# Allegro board RK_TABLET_DEMO1_RK3576_LP4XD200P132SD6_V12_20240530YWQ.brd (continued)
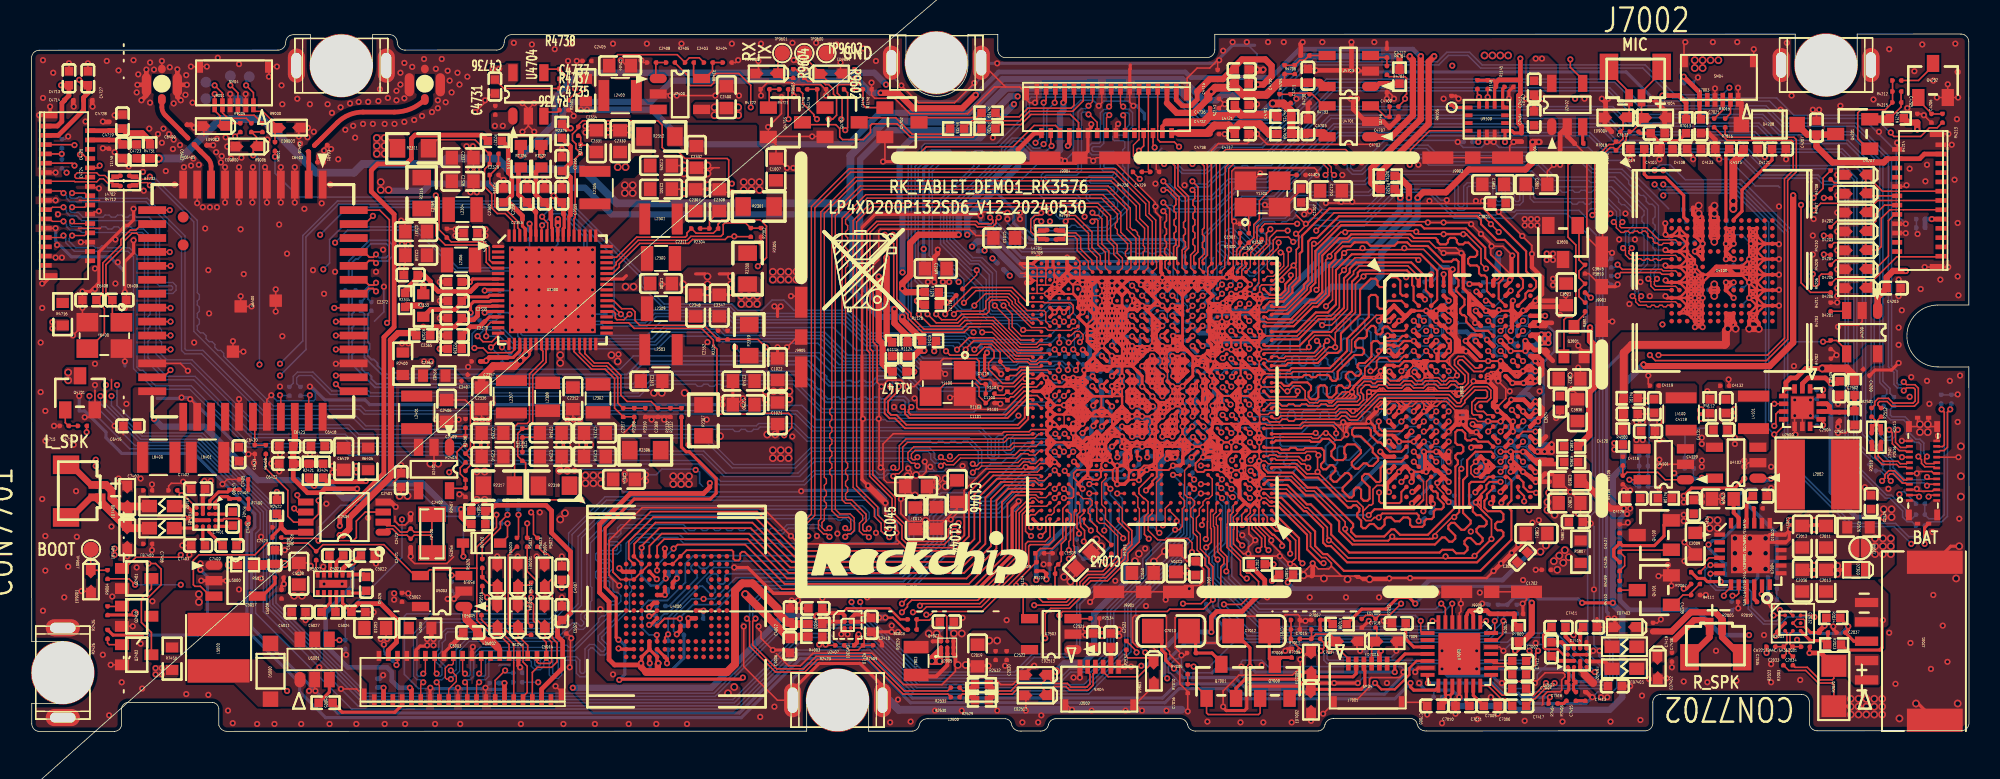
[diagram p0: board, top side]
## Routing (per net, layer and track width the routed paths; a pad name or vN(x,y) marks a point on that pad's centre or on a via; arc(x,y) is an arc through that point) (continued)
USB3_OTG0_SSTX1P/DP_TX_D1P: length 74.4
  TOP w0.102: U1000.AL11 74.44,30.29 74.44,31.01 74.65,31.22 74.65,34.56 73.97,35.24 73.97,36.63 73.59,37.01 73.28,37.01 v1(73.08,37.21)
  BOTTOM w0.102: C2509.1 119.92,21.84 119.92,22.16 119.46,22.61 119.46,36.74 117.46,38.73 112.84,38.73 111.72,39.85 103.56,39.85 101.83,41.58 83.92,41.58 79.65,37.31 76.8,37.31 75.74,36.25 74.33,36.25 73.54,37.03 73.26,37.03 v1(73.08,37.21)
USB3_OTG0_SSTX2N/DP_TX_D3N: length 71.7
  TOP w0.102: U1000.AK13 73.14,29.94 73.14,30.37 73.23,30.45 73.23,30.76 73.11,30.88 73.11,31.18 73.23,31.3 73.23,31.6 73.11,31.72 73.11,32.02 73.23,32.14 73.23,32.45 73.11,32.56 73.11,32.87 73.23,32.98 73.23,33.4 v1(73.03,33.6)
  BOTTOM w0.102: v1(73.03,33.6) 73.21,33.78 73.48,33.78 73.71,33.55 76.38,33.55 77.75,34.92 79.99,34.92 84.1,39.04 101.14,39.04 102.2,37.97 110.11,37.97 111.74,36.35 116.87,36.35 117.58,35.64 117.58,18.62 118.6,17.59 C2510.1
USB3_OTG0_SSTX2P/DP_TX_D3P: length 71.5
  TOP w0.102: U1000.AL13 73.43,30.24 73.43,33.76 v1(73.03,34.16)
  BOTTOM w0.102: C2511.1 118.84,17.64 117.78,18.7 117.78,35.72 116.95,36.55 111.82,36.55 110.2,38.18 102.29,38.18 101.22,39.24 84.02,39.24 79.9,35.13 77.67,35.13 76.3,33.76 73.79,33.76 73.56,33.98 73.21,33.98 v1(73.03,34.16)
USB20_HOST_DM: length 8.6
  TOP w0.102: J2502.2 68.15,3.84 68.29,3.69 68.29,3.06 68.1,2.87 67.07,2.87 66.83,3.1 65.97,3.1 ED2513.1 65.42,3.34 65.15,3.07 63.65,3.07 63.19,2.62 62.19,2.62 62.01,2.8 L2500.1
USB20_HOST_DP: length 8.9
  TOP w0.102: J2502.3 68.65,3.87 68.5,3.72 68.5,2.98 68.18,2.67 66.98,2.67 66.75,2.9 65.97,2.9 ED2512.1 65.42,2.61 65.15,2.87 63.73,2.87 63.27,2.41 62.12,2.41 L2500.3
USBCC_INT_L: length 105.1
  TOP w0.089: U1000.AC28 65.09,25.9 64.02,25.9 v1(63.99,25.93)
  TOP w0.102: U2500.5 v1(112.45,21.16)
  L4-SIG w0.102: v1(112.45,21.16) 112.45,23.14 116.87,27.55 116.87,34.82 116.72,34.98 113.46,34.98 109.55,38.89 v1(109.55,41.58)
  BOTTOM w0.089: 60.67,26.34 63.58,26.34 v1(63.99,25.93)
  BOTTOM w0.102: v1(109.55,41.58) 109.1,41.12 106.05,41.12 104.12,43.05 93.6,43.05 92.79,43.87 91.32,43.87 90.71,43.26 82.32,43.26 80.5,41.43 80.5,40.26 79.73,39.5 75.42,39.5 73.74,41.17 64.39,41.17 64.19,40.97 64.19,39.89 62.27,37.97 57.63,37.97 57.43,37.77 57.43,36.91 57.01,36.48 57.01,29.11 58,28.12 59.36,28.12 59.54,27.94 59.54,27.47 60.67,26.34
VIB_CON: length 92.5
  TOP w0.089: v1(60.84,27.51) 60.84,27.56 61.55,28.27 63.07,28.27 63.48,27.86 63.48,27.67 64.51,26.65 64.89,26.65 U1000.AD28
  TOP w0.102: v1(119.97,38.68) 119.97,38.63 120.17,38.43 121.9,38.43 122.46,38.99 122.96,38.99 R4213.1
  BOTTOM w0.102: v1(60.84,27.51) 60.58,27.25 60.04,27.25 59.74,27.55 59.74,28.04 59.46,28.32 58.08,28.32 57.21,29.19 57.21,36.4 57.64,36.82 57.64,37.66 57.74,37.77 62.42,37.77 64.39,39.74 64.39,40.87 64.49,40.97 73.64,40.97 75.31,39.29 79.84,39.29 80.7,40.16 80.7,41.33 82.43,43.05 90.81,43.05 91.42,43.66 92.69,43.66 93.5,42.85 103.97,42.85 105.9,40.92 112.6,40.92 113.72,39.8 118.8,39.8 119.92,38.68 v1(119.97,38.68)
VMID_ES8388: length 1.6
  TOP w0.203: U7000.20 93.03,2.33 C7011.1
VOL+: length 4.5
  TOP w0.102: v1(12.83,41.73) 13.32,41.24 J9001.3 13.32,39.87 13.39,39.8 14.37,39.8 R9000.2
  BOTTOM w0.102: TP9004.1 v1(12.83,41.73)
VOL-: length 4.8
  TOP w0.102: R9001.2 13.86,39.6 12.68,39.6 12.32,39.96 J9001.5 12.32,41.23 v1(11.81,41.73)
  BOTTOM w0.102: TP9005.1 11.46,41.73 v1(11.81,41.73)
VREF_ES8388: length 2.6
  TOP w0.203: C7009.1 88.67,5.98 89.19,5.45 U7000.10
WIFI_REG_ON_H: length 92.7
  TOP w0.102: U6400.15 8.91,30.97 v1(8.92,30.96) ; U1000.A26 65.97,13.42 65.97,12.37 65.66,12.06 64.44,12.06 64.34,11.96 64.34,10.75 61.34,7.75 58.21,7.75 58.01,7.54 v1(57.74,7.54)
  L4-SIG w0.102: v1(8.92,30.96) 8.26,30.3 8.26,7.7 14.91,1.04 41.53,1.04 44.99,4.5 48.2,4.5 48.81,5.1 56.31,5.1 57.08,5.87 57.08,7.01 57.61,7.54 v1(57.74,7.54)
WIFI_WAKE_HOST_H: length 67.1
  TOP w0.102: U1000.1U22 v1(66.62,24.67) ; U6400.16 v1(8.97,30.07)
  L4-SIG w0.102: v1(8.97,30.07) 10.32,31.42 19.43,31.42 v1(19.59,31.57)
  BOTTOM w0.102: v1(19.59,31.57) 20.4,32.38 24.77,32.38 27.41,29.74 31.22,29.74 31.37,29.59 31.37,25.53 31.52,25.37 40.03,25.37 40.85,26.19 44.43,26.19 44.83,25.78 51.18,25.78 52.66,24.31 57.03,24.31 57.48,23.85 63.43,23.85 63.58,24 65.51,24 65.71,24.21 66.15,24.21 v1(66.62,24.67)
WIFIBT_32KIN_2T2R: length 2.6
  TOP w0.102: U6400.31 14.4,20.2 C6421.1 R6408.2
XIN_24M: length 9
  TOP w0.089: 61.31,21.48 61.14,21.64 61.14,22.22 60.89,22.48 58.96,22.48 58.11,21.63 Y1100.3
  TOP w0.102: 61.31,21.48 C1101.1 61.88,21.51 62.85,21.51 R1101.2 63.19,21.61 63.38,21.61 64.01,22.25 64.85,22.25 65.12,22.52 U1000.U28
XIN_WIFI: length 10.9
  TOP w0.102: Y6400.3 3.7,24.73 4.7,25.73 4.7,27.3 4.19,27.82 C6408.1 4.6,28.28 4.6,30.26 5.77,31.43 5.77,31.77 6.38,32.38 6.73,32.38 7.12,32.77 U6400.13
XOUT_24M: length 3
  TOP w0.102: U1000.U29 64.55,22.45 63.91,22.45 63.27,21.82 63.09,21.82 R1101.1 62.75,21.72 62.23,21.72 R1100.2
XOUT_WIFI: length 8.5
  TOP w0.102: U6400.14 7.09,31.87 6.78,32.18 6.48,32.18 5.97,31.67 5.97,31.32 4.8,30.15 4.8,28.28 C6409.1 5.22,26.64 5.43,26.43 Y6400.1
ZQ_A: length 1
  TOP w0.114: U1000.1R6 v1(76.8,22.88)
  BOTTOM w0.089: R1200.2 76.8,23.11 v1(76.8,22.88)
ZQ_B: length 0.9
  TOP w0.114: U1000.1J6 v1(76.77,19.31)
  BOTTOM w0.089: v1(76.77,19.31) 76.75,19.34 R1201.1
N16483578: length 0.7
  TOP w0.203: C7404.2 R7400.1
N16483700: length 0.7
  TOP w0.203: R7401.1 14,14.98 C7406.2
N16485789: length 0.6
  TOP w0.203: R7403.1 C7415.2
N16485911: length 0.7
  TOP w0.203: R7404.1 98.86,1.8 C7417.2
N17044498: length 8.1
  TOP w0.305: C6403.1 18.42,38.01 18.43,38.01 C6401.1 19.73,39.32 arc(20.49,39.83) 21.38,40 23.42,40 arc(24.48,40.22) ANT6402.1
N17044505: length 2.1
  TOP w0.305: U6400.2 C6410.1 17.89,37.43 C6403.2
N18483775: length 3
  TOP w0.305: C6402.2 10.48,37.9 C6405.2 11.37,37.01 arc(11.53,36.77) 11.59,36.5 U6400.9
N18669719: length 1.5
  TOP w0.203: R7008.1 83.69,7.2 C7015.1 R7007.2
N19347246: length 2.4
  TOP w0.089: 61.19,22.48 60.34,23.33 Y1100.1
  TOP w0.102: 61.19,22.48 61.24,22.43 C1100.1 R1100.1
N19625788: length 4.7
  TOP w0.089: U1000.1B21 67.85,15.04 68.3,15.04 68.43,14.9 68.43,14.64 68.18,14.39 68.18,14.11
  TOP w0.102: R1353.1 69.68,12.06 69.14,12.6 69.09,12.6 68.76,12.93 68.76,13.18 68.3,13.64 68.3,13.99 68.18,14.11
N19625813: length 2.1
  TOP w0.114: U1000.1G23 v1(66.62,18.07)
  BOTTOM w0.114: R1367.1 65.59,17.73 66.28,17.73 v1(66.62,18.07)
N19907557: length 1.1
  TOP w0.203: R2414.1 100.09,38.01 U2402.3
N21004058: length 1.8
  TOP w0.102: Y1300.1 78.54,33.66 C1301.1 R1300.2
N21504287: length 3.2
  TOP w0.305: ANT6401.1 8.41,40.32 arc(8.47,40.04) 8.62,39.81 C6400.2 9.64,38.78 C6402.1
N21735612: length 1.2
  TOP w0.102: R2534.1 68.32,7.28 U2503.3
N21902615: length 1.3
  TOP w0.203: U3800.A5 v1(91.11,29.53)
  BOTTOM w0.203: R3802.2 v1(91.11,29.53)
N21902619: length 1.2
  TOP w0.203: v1(92.78,28.9) 92.81,28.9 92.81,28.9 93.41,28.9 U3800.A8
  BOTTOM w0.203: v1(92.78,28.9) 92.77,28.9 92.66,29 R3804.2
N22358067: length 4.7
  TOP w0.102: Y2400.1 25.83,12.57 25.73,12.67 24.7,12.67 C2421.2 24.23,12.67 23.7,12.67 23.29,13.08 22.91,13.08 U2404.1
N22358147: length 4.7
  TOP w0.102: U2404.2 22.93,13.28 23.4,13.28 23.8,12.88 24.23,12.88 C2422.2 24.7,12.88 25.73,12.88 25.83,12.98 Y2400.2
N22367501: length 1.2
  TOP w0.102: R2512.2 118.93,20.13 118.93,19.78 L2501.4 118.73,19.58 R2510.1
N22367504: length 1.2
  TOP w0.102: R2513.2 119.14,20.13 119.14,19.78 L2501.2 119.34,19.58 R2516.1
N22367533: length 1
  TOP w0.102: R2530.2 60.07,2.41 60.54,2.41 L2500.4
N22367536: length 1
  TOP w0.102: R2531.2 60.09,2.62 60.52,2.62 L2500.2
N22367651: length 4.2
  TOP w0.305: U2500.12 116.09,20.66 ; 116.09,20.66 116.14,20.62 C2504.1 117.56,20.62 C2503.1 R2501.2 ; 116.09,20.66 116,20.75 116,21.01 115.85,21.16 U2500.13
N22631222: length 5.6
  TOP w0.203: U4100.A9 109.83,33.07 110.37,33.6 110.37,34.97 112.3,36.91 C4121.1
N22631304: length 6.5
  TOP w0.203: U4100.A3 106.61,33.22 106.61,34.62 105.44,35.79 104.26,35.79 104.06,35.99 C4122.1 104.06,37.67
N22631340: length 4.7
  TOP w0.203: U4100.A8 109.33,37.4 C4123.1
N23443278: length 3.6
  TOP w0.203: C7012.2 79.87,4.69 Q7000.3 80.67,4.78 R7006.1
N23443310: length 7.8
  TOP w0.102: Q7000.1 79.27,1.19 79.17,1.09 75.92,1.09 75.82,1.2 Q7001.1 75.82,2.26 75.04,3.04 C7016.1 R7010.2
N23443315: length 3.6
  TOP w0.203: C7013.2 75.11,6.06 R7005.1 76.17,5.06 76.77,4.46 Q7001.3
N25926882: length 2.2
  TOP w0.102: U2401.1 26.97,18.84 27.19,19.05 R2406.2 C2409.1
N25926888: length 3.1
  TOP w0.102: R2403.2 28,17.36 27.66,17.03 27.66,16.64 28,16.3 C2402.2 R2407.1 27.12,15.7 U2401.5
N26149917: length 1.6
  TOP w0.102: U7000.23 94.27,4.19 95.03,4.19 C7004.1
N28025034: length 2.6
  TOP w0.102: TP9007.1 3.82,11.74 ED9001.1 3.92,10.41 R9004.2
N28026868: length 3.5
  TOP w0.203: R7017.1 103.78,38.63 C7019.1 104.96,38.15 106.27,38.15 R7013.2
N28185677: length 1.8
  TOP w0.102: R2405.2 C2408.1 40.28,42.33 U2400.1
N28185687: length 3.6
  TOP w0.102: R2408.1 R2404.2 43.94,42.67 43.45,42.17 U2400.5 42.87,42.17 42.72,42.32 C2403.2
N28311256: length 1.8
  TOP w0.127: v1(39.86,7.44) 40,7.44 U4000.H5
  BOTTOM w0.102: v1(39.86,7.44) 39.88,7.46 R4005.1 40.26,8.02 R4007.2
N28324558: length 1.1
  TOP w0.102: U4200.3 117.07,27.14 R4203.1
N29652995: length 1.4
  TOP w0.203: U9100.11 94.92,40.44 94.92,41.5 C9103.1
N29797204: length 5.6
  TOP w0.102: R4101.1 104.01,21.52 v1(104.17,21.36)
  BOTTOM w0.102: R4104.1 R4103.1 C4117.1 104.29,17.83 104.37,17.91 104.37,21.16 v1(104.17,21.36)
N29797351: length 5
  TOP w0.102: U4101.1 105.41,16.26 104.93,16.74 102.95,16.74 102.73,16.51 R4106.1 R4105.2
N29797357: length 3.6
  TOP w0.102: U4101.5 v1(103.1,16.26)
  BOTTOM w0.102: v1(103.1,16.26) 103.53,15.82 R4107.1 R4104.2 R4103.2 C4117.2
N29797631: length 2
  TOP w0.102: v1(112.25,16.33) 112.22,16.36 U4102.1
  BOTTOM w0.203: v1(112.25,16.33) 112.11,16.2 R4116.1 R4115.2
N29797633: length 2.7
  TOP w0.102: v1(107.78,16.38) 108.57,16.38 U4102.5
  BOTTOM w0.102: v1(107.78,16.38) 107.29,16.38 R4114.1 R4113.2 C4130.2
N29801091: length 5.5
  TOP w0.102: R4110.1 R4109.2 102.8,10.7 102.8,11.27 C4125.2 102.59,11.71 105.79,11.71 Q4100.1
N29801183: length 1.1
  TOP w0.102: R4110.2 102.5,9.13 Q4101.3
N29801225: length 2.5
  TOP w0.102: R4111.2 107.09,8.97 C4128.1 106.56,8.81 105.92,8.18 Q4101.1
N30279606: length 5.9
  TOP w0.102: Q3800.1 99.85,32.6 99.85,30.45 100.17,30.13 C3845.1 99.85,29.74 99.85,29.3 R3810.2 99.85,28.52 99.85,28.08 R3811.1
N30279662: length 1.3
  TOP w0.102: Q3801.3 99.53,26.27 100.24,26.98 R3811.2
N31039547: length 1.2
  TOP w0.254: U2004.10 111.16,8.55 R2010.1
N31039644: length 2.5
  TOP w0.254: v1(111.64,8.86) 111.64,8.87 111.66,8.9 U2004.11
  BOTTOM w0.254: R2025.2 R2006.1 112.05,8.86 ; 112.05,8.86 R2011.1 ; 112.05,8.86 112.05,8.87 111.65,8.87 v1(111.64,8.86)
N31039646: length 1.7
  TOP w0.254: C2008.1 109.83,14.12 110.16,13.8 U2004.23
N31040025: length 1.1
  TOP w0.254: 110.67,8.42 110.67,9.46 U2004.9
  TOP w0.305: R2005.2 110.67,8.42
N31040066: length 1
  TOP w0.203: U2004.21 111.16,14.39 C2010.2
N31339553: length 4.1
  TOP w0.102: R2423.2 52.73,5.26 53.34,5.26 R2409.2 ; R2409.2 R2410.1 ; R2409.2 53.72,5.64 53.72,6.53 53.57,6.68 U2407.B2
N31344249: length 1.6
  TOP w0.203: U7400.D2 11.46,12.89 C7400.1
N31344257: length 1.1
  TOP w0.203: U7400.D1 12.93,13.24 C7401.1
N31344297: length 3.4
  TOP w0.127: 13.49,13.61 13.36,13.74 12.42,13.74 12.33,13.64
  TOP w0.203: C7400.2 13.49,12.27 13.49,13.61 ; 12.33,13.64 U7400.C1
N31344305: length 1.6
  TOP w0.203: C7401.2 12.83,14.04 U7400.B1 U7400.B2
N31344410: length 1.5
  TOP w0.203: U7400.D4 10.54,13.13 FB7400.1
N31344418: length 1.7
  TOP w0.203: U7400.B4 10.55,14.04 10.04,14.55 FB7401.1
N31361039: length 2.7
  TOP w0.203: U7400.A2 11.51,14.5 11.51,14.91 12.07,15.47 12.66,15.47 C7405.1 12.81,15.62 R7400.2
N31361246: length 2.2
  TOP w0.203: U7400.A1 11.82,14.48 11.82,14.76 12.22,15.16 12.66,15.16 C7405.2 13.39,15.04 R7401.2
N31366881: length 1.6
  TOP w0.254: U7402.D2 99.53,5.58 98.98,6.13 C7411.1
N31366885: length 3.3
  TOP w0.145: 97.56,5.77 97.56,5.41 97.67,5.31 98.48,5.31 98.83,4.96 U7402.C1
  TOP w0.203: 97.56,5.77 97.56,6.22 C7411.2
N31366889: length 1.2
  TOP w0.254: U7402.D1 98.73,5.76 C7412.1
N31366893: length 1.6
  TOP w0.254: C7412.2 98.17,4.86 98.47,4.56 U7402.B1 U7402.B2
N31367008: length 1.8
  TOP w0.203: U7402.A2 99.49,4.12 99.49,3.3 C7416.1 99.49,3.05 99.49,2.69 R7403.2
N31367014: length 0.4
  TOP w0.254: U7402.D4 100.33,5.79
N31367020: length 1.8
  TOP w0.203: R7404.2 99.19,2.69 99.19,3.05 C7416.2 99.19,3.3 99.19,4.1 U7402.A1
N31367026: length 1.9
  TOP w0.254: U7402.B4 100.37,4.52 101.51,4.52 FB7403.1
N31528669: length 2.2
  TOP w0.102: U4701.3 86.65,40.4 87.35,39.7 C4707.1 R4701.2
N31528675: length 3.4
  TOP w0.102: C4701.2 R4730.2 81.31,41.22 82.39,41.22 R4733.1 82.65,41.15 83.4,40.4 U4701.4
N31528937: length 1.7
  TOP w0.102: R4704.2 C4712.1 86.52,43.54 U4703.3
N31528943: length 3
  TOP w0.102: U4703.4 83.59,43.66 R4706.1 82.14,43.36 81.85,43.36 R4705.2 C4710.2
N31549612: length 1.7
  TOP w0.102: R4714.2 R4715.1 2.18,19.94 Q4701.1
N31550220: length 4.3
  TOP w0.102: R4719.1 61,39.65 57.57,39.65 Q4702.3
N31550249: length 3.2
  TOP w0.102: R4717.2 R4718.1 53.65,40.48 53.84,40.29 Q4702.1
N31550517: length 13.6
  TOP w0.102: R4720.1 60.74,38.38 56.72,38.38 55.86,39.24 54.23,39.24 54.13,39.14 54.13,38.68 53.67,38.23 52.33,38.23 52.15,38.4 52.15,38.94 51.9,39.19 49.9,39.19 Q4703.3
N31550548: length 1.9
  TOP w0.102: R4721.2 R4722.1 47.6,40.35 Q4703.1
N31550756: length 6.6
  TOP w0.102: Q4704.3 53.7,39.64 55.76,39.64 56.82,38.58 58.91,38.58 R4723.1
N31550787: length 2.2
  TOP w0.102: Q4704.1 50.89,40.29 50.71,40.48 R4725.1 R4724.2
N31575465: length 6.4
  TOP w0.102: J2502.4 69.15,3.86 69.47,3.53 71.4,3.53 72.29,4.42 D9803.1 72.07,4.75 70.74,4.75 70.64,4.85 R2537.2
N31696650: length 1.8
  TOP w0.203: U5001.3 19.22,2.54 R5005.1
N31711977: length 1.9
  TOP w0.203: U5000.4 14.89,8.74 15.7,9.55 C5017.1
N31733130: length 2.9
  TOP w0.203: U2003.C3 114.78,5.87 115.61,5.87 R2023.2 115.91,5.66 C2032.1
N31761528: length 3.6
  TOP w0.254: 56.96,3.55 58.37,3.55 59.09,4.28 U2005.B1 U2005.B2
N31761574: length 4.4
  TOP w0.102: U2005.B3 59.06,5.85 59.06,7.41 58.96,7.51 58.27,7.51 57.94,7.19 57.15,7.19 R2028.2 R2029.2
N31915974: length 1.2
  TOP w0.254: U5002.1 21.45,10.13 C5026.1
N31915978: length 1.2
  TOP w0.203: C5026.2 21.45,8.93 U5002.12
N31916041: length 1.4
  TOP w0.254: C5023.1 19.67,10.91 U5002.3
N31916043: length 1.3
  TOP w0.203: U5002.10 19.67,7.76 C5027.1
N31916095: length 1.2
  TOP w0.254: U5002.4 19.27,11.32 C5023.2
N31916099: length 1.5
  TOP w0.203: C5027.2 18.71,7.74 19.27,8.29 U5002.9
N31916172: length 1
  TOP w0.102: R5027.2 18.37,10.23 U5002.6
N31972393: length 1.4
  TOP w0.102: J7003.2 109.63,39.92 R7015.2
N31972396: length 1.5
  TOP w0.102: R7016.2 109.13,40.13 J7003.3
N32076662: length 2
  TOP w0.305: U4703.1 86.77,41.66 86.97,41.85 C4709.1 87.47,41.84 R4703.2
N32077506: length 1.2
  TOP w0.102: v1(27.1,10.08) 27.12,10.07 U5003.3
  BOTTOM w0.102: R5001.1 v1(27.1,10.08)
N32083251: length 3.3
  TOP w0.102: R4215.1 C4205.2 120.63,40.33 R4216.2
  TOP w0.508: Q4201.2 119.84,39.54 R4216.2
N32083273: length 6.7
  TOP w0.102: Q4201.1 118.47,37.64 117.83,38.28 117.83,39.95 118.04,40.16 119.61,40.16 C4205.1 R4215.2 R4212.2
N32083311: length 2.6
  TOP w0.102: Q4202.3 122.69,42.98 121.75,42.05 R4212.1
N32083354: length 2.1
  TOP w0.102: R4213.2 R4214.1 122.59,39.92 121.74,40.77 Q4202.1
N32119669: length 7.8
  TOP w0.102: R2425.2 5.82,8.07 Q2400.1 5.91,8.09 6.38,8.56 7.09,8.56 ; 7.09,8.56 7.73,9.2 Q2401.3 ; 7.09,8.56 7.09,7.04 7.73,6.39 Q2402.3
N32119996: length 1.3
  TOP w0.102: R2426.1 4.91,5.7 5.01,5.6 Q2402.1
N32498836: length 2.6
  TOP w0.102: C4737.2 R4737.2 34.62,42.23 R4738.1 33.29,42.78 U4704.4
N32498842: length 1.8
  TOP w0.102: R4736.2 C4735.1 33.95,40 33.31,40 U4704.3

## Copper pours and planes (outline as drawn; the poured copper is in the pictures)
GND on L4-SIG (solid shape): 44.87,19.35 44.96,19.29 44.94,19.18 44.2,18.44 43.43,18.44 42.98,18.9 43.43,19.35
GND on L4-SIG (solid shape): 48.17,5.54 48.27,5.47 48.24,5.36 47.96,5.08 45.15,5.08 45.06,5.14 45.08,5.25 45.36,5.54
GND on L4-SIG (solid shape): 87.61,7.13 87.64,7.02 87.54,6.96 82.09,6.96 81.71,7.34 81.69,7.46 81.78,7.52 87.23,7.52
GND on L4-SIG (solid shape): 101.35,5.38 101.44,5.32 101.42,5.21 101.24,5.03 100.18,5.03 98.91,3.76 98.82,3.76 98.77,3.79 98.78,3.85 100.32,5.38
GND on L4-SIG (solid shape): 123.45,19.29 123.45,18.52 123.38,18.43 123.27,18.45 122.62,19.1 121.66,19.1 121.52,19.24 121.52,19.75 121.37,19.89 121.35,20 121.45,20.07 122.68,20.07
GND on L4-SIG (solid shape): 112.39,16.05 112.42,15.97 112.42,15.54 111.31,14.43 111.22,14.43 111.18,14.46 111.19,14.51 112.07,15.39 112.07,15.97 112.11,16.05 112.19,16.07 112.25,16.07 112.3,16.07
GND on L4-SIG (solid shape): 117.84,25.94 117.95,25.96 118.01,25.86 118.01,25.6 116.24,23.82 115.55,23.82 115.41,23.8 115.29,23.72 115.18,23.7 115.12,23.8 115.12,23.84 115.41,24.13 116.03,24.13
GND on L4-SIG (solid shape): 22.71,24.55 22.77,24.64 22.88,24.62 24.44,23.06 26.82,23.06 27.94,24.18 28.86,24.18 28.95,24.12 28.93,24.01 27.79,22.87 27.79,19.92 27.23,19.36 27.23,18.53 27.17,18.44 27.06,18.46 22.71,22.81
GND on L4-SIG (solid shape): 26.46,8.84 27.85,8.84 27.95,8.78 27.92,8.67 27.59,8.33 23.75,8.33 23.68,8.37 23.66,8.45 23.65,8.57 23.6,8.68 23.59,8.71 23.6,8.74 23.65,8.85 23.66,8.97 23.68,9.06 23.75,9.09 26.21,9.09
GND on L4-SIG (solid shape): 65.79,14.53 66.1,14.53 66.2,14.47 66.18,14.35 65.45,13.63 65.38,13.7 65.33,13.77 65.25,13.81 65.16,13.81 65.16,13.81 64.82,13.81 64.77,13.82 64.21,13.82 63.25,14.78 62.89,14.78 62.8,14.85 62.82,14.96 62.95,15.09 65.23,15.09
GND on L4-SIG (solid shape): 18.1,31.24 18.19,31.18 18.17,31.07 16.61,29.51 16.61,24.63 16.55,24.53 16.44,24.55 12.85,28.14 9.14,28.14 8.79,28.5 8.79,29.65 8.83,29.73 8.91,29.75 9.2,29.84 9.29,30.12 9.29,30.14 10.39,31.24
GND on L4-SIG (solid shape): 121.92,14.54 121.99,14.63 122.1,14.61 122.23,14.48 122.78,14.48 122.87,14.56 122.98,14.58 123.04,14.49 123.04,11.81 122.55,11.32 122.44,11.3 122.38,11.4 122.38,11.88 122.43,12.28 122.05,12.43 121.96,12.44 121.92,12.52
GND on L4-SIG (solid shape): 78.6,4.62 78.62,4.52 78.55,4.45 78.37,4.08 78.76,3.97 78.82,3.97 78.84,3.93 78.84,3.91 79.46,3.3 86.33,3.3 86.41,3.26 86.43,3.18 86.43,3.12 86.43,3.07 86.41,2.98 86.33,2.95 77.64,2.95 75.98,4.6 75.96,4.71 76.05,4.77 78.44,4.77
GND on L4-SIG (solid shape): 69.29,25.56 69.29,24.95 69.4,24.84 69.4,24.83 69.92,24.66 69.88,25.21 69.85,25.22 69.85,25.37 69.92,25.46 70.03,25.44 70.23,25.24 70.8,25.24 70.97,25.07 70.97,24.77 69.59,23.38 69.18,23.79 69.15,23.88 69.21,23.95 69.39,24.27 69.16,24.56 69.14,24.56 68.79,24.92 68.79,25.13 68.39,25.53 68.37,25.64 68.46,25.7 69.15,25.7
GND on L4-SIG (solid shape): 51.44,8.51 51.44,7.72 51.85,7.31 53.51,7.31 53.53,7.31 53.56,7.31 53.58,7.29 53.6,7.27 53.61,7.24 53.62,7.21 53.61,7.18 53.6,7.15 53.59,7.14 53.12,6.67 52.98,6.81 49.03,6.81 48.32,6.1 47.72,6.1 47.7,6.1 47.67,6.1 47.65,6.12 47.63,6.14 47.62,6.17 47.62,6.2 47.62,6.23 47.64,6.26 47.73,6.35 47.73,7.46 50.41,7.46 50.41,7.42 50.42,7.37 50.44,7.33 50.46,7.29 50.49,7.25 50.52,7.22 50.56,7.2 50.61,7.19 50.65,7.18 50.7,7.18 50.74,7.19 50.79,7.2 50.83,7.22 50.87,7.25 50.89,7.25 50.93,7.22 50.97,7.2 51.01,7.19 51.06,7.18 51.11,7.18 51.15,7.19 51.19,7.2 51.23,7.22 51.27,7.25 51.3,7.29 51.32,7.33 51.34,7.37 51.35,7.42 51.35,7.46 51.34,7.51 51.32,7.55 51.3,7.59 51.27,7.63 51.23,7.66 51.19,7.68 51.15,7.7 51.11,7.71 51.06,7.71 51.01,7.7 50.97,7.68 50.93,7.66 50.89,7.63 50.87,7.63 50.83,7.66 50.79,7.68 50.74,7.7 50.7,7.71 50.65,7.71 50.61,7.7 50.56,7.68 50.52,7.66 50.49,7.63 50.46,7.59 50.44,7.55 50.42,7.51 50.41,7.46 47.73,7.46 47.73,7.72 48.84,8.84 51.11,8.84
GND on L4-SIG (solid shape): 15.85,22.71 15.9,22.69 15.95,22.67 16.01,22.66 16.06,22.66 16.1,22.67 16.13,22.66 16.16,22.65 16.18,22.63 16.2,22.61 16.21,22.58 16.21,22.56 16.21,22.08 16.21,22.06 16.2,22.03 16.18,22.01 16.16,21.99 16.13,21.98 16.1,21.97 16.06,21.98 16.01,21.98 15.97,21.97 15.92,21.96 15.88,21.94 15.85,21.91 15.81,21.87 15.79,21.83 15.77,21.79 15.77,21.74 15.77,21.69 15.77,21.65 15.79,21.6 15.81,21.56 15.85,21.53 15.88,21.5 15.92,21.47 15.97,21.46 16.01,21.45 16.06,21.45 16.1,21.46 16.13,21.46 16.16,21.45 16.18,21.43 16.2,21.4 16.21,21.37 16.21,21.36 16.21,14.31 16.21,14.3 16.2,14.27 16.18,14.25 16.16,14.23 16.13,14.21 16.1,14.21 16.07,14.22 16.05,14.23 16.03,14.24 15.29,14.98 15.29,15.49 15.56,15.49 15.56,15.44 15.57,15.4 15.59,15.36 15.61,15.32 15.64,15.28 15.67,15.25 15.71,15.23 15.76,15.21 15.8,15.2 15.85,15.2 15.9,15.21 15.94,15.23 15.98,15.25 16.01,15.28 16.04,15.32 16.07,15.36 16.08,15.4 16.09,15.44 16.09,15.49 16.08,15.54 16.07,15.58 16.04,15.62 16.01,15.66 15.98,15.69 15.94,15.71 15.9,15.72 15.85,15.73 15.8,15.73 15.76,15.72 15.71,15.71 15.67,15.69 15.64,15.66 15.61,15.62 15.59,15.58 15.57,15.54 15.56,15.49 15.29,15.49 15.29,22.25 15.8,22.75
GND on L4-SIG (solid shape): 114.61,22.93 114.67,23.02 114.78,23 115.13,22.66 115.75,22.66 115.83,22.62 115.85,22.53 115.84,22.48 115.8,22.39 115.71,22.38 115.29,21.97 115.87,21.89 116.34,21.89 117.59,20.65 117.61,20.53 117.51,20.47 116.03,20.47 115.67,20.11 115.64,20.11 115.37,19.55 115.92,19.83 115.92,19.86 116.18,20.12 117.76,20.12 118.75,19.12 118.78,19.01 118.68,18.95 115.49,18.95 114.61,19.83
GND on L4-SIG (solid shape): 38.44,27.39 38.45,27.38 38.46,27.35 38.47,27.32 38.47,27.29 38.45,27.26 38.43,27.24 38.4,27.22 38.36,27.18 38.31,27.14 38.28,27.13 38.26,27.13 38.23,27.13 38.18,27.17 38.14,27.19 38.1,27.21 38.05,27.21 38.01,27.21 37.96,27.21 37.92,27.19 37.88,27.17 37.84,27.14 37.81,27.11 37.79,27.07 37.77,27.03 37.76,26.98 37.76,26.94 37.77,26.89 37.78,26.85 37.8,26.81 37.83,26.77 37.86,26.74 37.9,26.71 37.94,26.7 37.98,26.69 38.03,26.64 37.95,26.57 26.47,26.57 26.3,26.4 26.28,26.38 26.26,26.38 26.24,26.39 26.22,26.41 26.22,26.47 25.88,26.8 25.87,26.81 25.86,26.84 25.85,26.87 25.86,26.9 25.87,26.93 25.89,26.95 25.91,26.97 25.94,26.97 25.95,26.97 26.86,26.97 26.96,27.07 28.06,27.07 28.06,27.03 28.07,26.98 28.08,26.94 28.11,26.9 28.14,26.86 28.17,26.83 28.21,26.81 28.26,26.79 28.3,26.79 28.35,26.79 28.39,26.79 28.44,26.81 28.48,26.83 28.51,26.86 28.54,26.9 28.56,26.94 28.58,26.98 28.59,27.03 28.59,27.07 28.97,27.07 28.97,27.03 28.98,26.98 29,26.94 29.02,26.9 29.05,26.86 29.09,26.83 29.13,26.81 29.17,26.79 29.22,26.79 29.26,26.79 29.31,26.79 29.35,26.81 29.39,26.83 29.43,26.86 29.46,26.9 29.48,26.94 29.49,26.98 29.5,27.03 29.5,27.07 29.49,27.12 29.48,27.16 29.46,27.2 29.43,27.24 29.39,27.27 29.35,27.29 29.31,27.31 29.26,27.32 29.22,27.32 29.17,27.31 29.13,27.29 29.09,27.27 29.05,27.24 29.02,27.2 29,27.16 28.98,27.12 28.97,27.07 28.59,27.07 28.58,27.12 28.56,27.16 28.54,27.2 28.51,27.24 28.48,27.27 28.44,27.29 28.39,27.31 28.35,27.32 28.3,27.32 28.26,27.31 28.21,27.29 28.17,27.27 28.14,27.24 28.11,27.2 28.08,27.16 28.07,27.12 28.06,27.07 26.96,27.07 27.32,27.43 30.54,27.43 30.79,27.68 38.15,27.68
GND on L4-SIG (solid shape): 47.65,11.12 46.89,10.36 43.28,10.36 42.27,11.38 39.93,11.38 38.1,9.55 38.1,9.29 37.65,8.84 35.87,8.84 35.51,8.48 33.94,8.48 33.94,8.88 33.94,8.89 33.95,8.92 33.96,8.95 33.98,8.97 34.01,8.98 34.04,8.98 34.07,8.98 34.1,8.96 34.15,8.95 34.2,8.94 34.26,8.95 34.31,8.96 34.35,8.97 34.39,8.99 35.43,8.99 36.75,10.31 37.69,10.31 37.71,10.29 37.75,10.26 37.8,10.24 37.85,10.22 37.9,10.21 37.95,10.21 38,10.22 38.05,10.24 38.09,10.26 38.14,10.29 38.17,10.33 38.2,10.37 38.23,10.41 38.24,10.46 38.25,10.51 38.25,10.57 38.24,10.62 38.23,10.67 38.2,10.71 38.17,10.75 38.14,10.79 38.09,10.82 38.05,10.84 38,10.86 37.95,10.87 37.9,10.87 37.85,10.86 37.8,10.84 37.75,10.82 37.71,10.79 37.69,10.77 36.94,10.77 36.92,10.77 36.89,10.78 36.87,10.8 36.85,10.82 36.84,10.85 36.83,10.88 36.84,10.91 36.85,10.93 36.86,10.94 37.81,11.88 39.1,11.88 39.1,11.84 39.11,11.79 39.13,11.75 39.15,11.71 39.18,11.67 39.21,11.64 39.25,11.62 39.3,11.6 39.34,11.6 39.39,11.6 39.44,11.6 39.48,11.62 39.52,11.64 39.55,11.67 39.58,11.71 39.61,11.75 39.62,11.79 39.63,11.83 41.17,11.83 41.17,11.79 41.17,11.74 41.19,11.7 41.21,11.66 41.24,11.62 41.28,11.59 41.32,11.57 41.36,11.55 41.41,11.55 41.45,11.55 41.5,11.55 41.54,11.57 41.58,11.59 41.62,11.62 41.65,11.66 41.67,11.7 41.69,11.74 41.69,11.79 41.69,11.83 41.69,11.88 41.67,11.92 41.65,11.96 41.62,12 41.58,12.03 41.54,12.05 41.5,12.07 41.45,12.08 41.41,12.08 41.36,12.07 41.32,12.05 41.28,12.03 41.24,12 41.21,11.96 41.19,11.92 41.17,11.88 41.17,11.83 39.63,11.83 39.63,11.88 39.62,11.93 39.61,11.97 39.58,12.01 39.55,12.05 39.52,12.08 39.48,12.1 39.44,12.12 39.39,12.13 39.34,12.13 39.3,12.12 39.25,12.1 39.21,12.08 39.18,12.05 39.15,12.01 39.13,11.97 39.11,11.93 39.1,11.88 37.81,11.88 38.27,12.34 46.42,12.34
GND on L4-SIG (solid shape): 30.24,22.58 46.67,22.58 46.69,22.58 46.72,22.57 46.74,22.55 46.76,22.53 46.77,22.5 46.78,22.47 46.77,22.44 46.76,22.42 46.75,22.41 46.59,22.25 46.59,21.43 46.03,20.88 45.44,20.88 45.11,20.55 45.11,20.11 44.91,19.91 43.2,19.91 42.79,19.51 33.52,19.51 31.75,17.74 31.75,16.51 28.81,13.56 24.28,13.56 24.22,13.62 24.23,13.67 24.23,13.72 24.22,13.77 24.2,13.82 24.18,13.87 24.15,13.91 24.11,13.94 24.07,13.97 24.03,13.99 23.98,14.01 23.93,14.02 23.88,14.02 23.83,14.01 23.78,13.99 23.73,13.97 23.69,13.94 23.66,13.9 23.63,13.86 23.6,13.82 23.59,13.77 23.58,13.72 23.58,13.67 23.59,13.62 23.6,13.57 23.62,13.52 23.65,13.48 23.69,13.44 23.73,13.41 23.77,13.39 23.82,13.37 23.87,13.36 23.92,13.36 23.97,13.37 24.01,13.32 24.01,13.3 24,13.28 23.99,13.27 23.96,13.26 23.72,13.26 23.32,13.65 23.32,14.37 27.45,14.37 27.45,14.33 27.46,14.28 27.47,14.24 27.5,14.2 27.53,14.16 27.56,14.13 27.6,14.11 27.65,14.09 27.69,14.09 27.74,14.09 27.78,14.09 27.83,14.11 27.87,14.13 27.9,14.16 27.93,14.2 27.95,14.24 27.97,14.28 27.98,14.33 27.98,14.37 27.97,14.42 27.95,14.46 27.93,14.5 27.9,14.54 27.87,14.57 27.83,14.59 27.78,14.61 27.74,14.62 27.69,14.62 27.65,14.61 27.6,14.59 27.56,14.57 27.53,14.54 27.5,14.5 27.47,14.46 27.46,14.42 27.45,14.37 23.32,14.37 23.32,14.62 22.72,15.21 23.44,15.21 23.44,15.16 23.45,15.11 23.47,15.07 23.5,15.02 23.53,14.99 23.57,14.95 23.62,14.93 23.66,14.91 23.71,14.9 23.76,14.9 23.82,14.9 23.86,14.92 23.91,14.94 23.95,14.97 24,15 24.02,15 24.06,14.97 24.1,14.94 24.15,14.92 24.2,14.9 24.25,14.9 24.3,14.9 24.35,14.91 24.39,14.93 24.45,14.96 28.41,14.96 28.42,14.91 28.43,14.86 28.45,14.81 28.48,14.77 28.51,14.73 28.55,14.7 28.6,14.67 28.64,14.66 28.69,14.65 28.74,14.64 28.79,14.65 28.84,14.67 28.89,14.69 28.93,14.72 28.97,14.75 28.99,14.75 29.04,14.72 29.08,14.69 29.13,14.67 29.17,14.65 29.23,14.64 29.28,14.65 29.33,14.66 29.37,14.67 29.42,14.7 29.46,14.73 29.49,14.77 29.52,14.81 29.54,14.86 29.55,14.91 29.55,14.96 29.55,15.01 29.54,15.06 29.52,15.11 29.49,15.15 29.46,15.19 29.42,15.22 29.37,15.25 29.33,15.26 29.28,15.27 29.23,15.28 29.17,15.27 29.13,15.26 29.08,15.23 29.04,15.2 28.99,15.17 28.97,15.17 28.93,15.2 28.89,15.23 28.84,15.26 28.79,15.27 28.74,15.28 28.69,15.27 28.64,15.26 28.6,15.25 28.55,15.22 28.51,15.19 28.48,15.15 28.45,15.11 28.43,15.06 28.42,15.01 28.41,14.96 24.45,14.96 24.48,14.99 24.51,15.02 24.54,15.07 24.56,15.11 24.57,15.16 24.58,15.21 24.57,15.26 24.56,15.31 24.54,15.36 24.51,15.4 24.48,15.44 24.44,15.47 24.39,15.5 24.35,15.52 24.3,15.53 24.25,15.53 24.2,15.52 24.15,15.51 24.1,15.49 24.06,15.46 24.02,15.43 24,15.43 23.95,15.46 23.91,15.49 23.86,15.51 23.82,15.52 23.76,15.53 23.71,15.53 23.66,15.52 23.62,15.5 23.57,15.47 23.53,15.44 23.5,15.4 23.47,15.36 23.45,15.31 23.44,15.26 23.44,15.21 22.72,15.21 22.26,15.68 22.25,15.69 22.24,15.71 22.23,15.74 22.24,15.77 22.25,15.8 22.27,15.82 22.29,15.84 22.32,15.85 22.33,15.85 27.34,15.85 27.89,16.4 27.89,16.79 28.41,16.79 28.42,16.74 28.43,16.69 28.45,16.64 28.48,16.6 28.51,16.56 28.55,16.53 28.6,16.5 28.64,16.49 28.69,16.48 28.74,16.47 28.79,16.48 28.84,16.49 28.89,16.52 28.93,16.54 28.97,16.58 28.99,16.58 29.04,16.54 29.08,16.52 29.13,16.49 29.17,16.48 29.23,16.47 29.28,16.48 29.33,16.49 29.37,16.5 29.42,16.53 29.46,16.56 29.49,16.6 29.52,16.64 29.54,16.69 29.55,16.74 29.55,16.79 29.55,16.84 29.54,16.89 29.52,16.94 29.49,16.98 29.46,17.02 29.42,17.05 29.37,17.07 29.33,17.09 29.28,17.1 29.23,17.1 29.17,17.1 29.13,17.08 29.08,17.06 29.04,17.03 28.99,17 28.97,17 28.93,17.03 28.89,17.06 28.84,17.08 28.79,17.1 28.74,17.1 28.69,17.1 28.64,17.09 28.6,17.07 28.55,17.05 28.51,17.02 28.48,16.98 28.45,16.94 28.43,16.89 28.42,16.84 28.41,16.79 27.89,16.79 27.89,19.09 28.45,19.65 28.45,22.6 29.34,23.48
GND on L4-SIG (solid shape): 99.27,39.88 106.9,39.88 112.22,34.56 112.22,26.27 111.45,25.5 110.55,25.5 105.46,20.42 105.46,18.72 105.19,18.44 104.76,18.44 104.09,17.78 104.09,13.2 102.74,11.85 102.73,11.84 102.7,11.83 102.67,11.82 102.64,11.83 102.62,11.84 102.59,11.86 102.58,11.88 102.57,11.91 102.57,11.93 102.57,14.16 102.63,14.16 102.68,14.14 102.69,14.12 102.68,14.07 102.68,14.03 102.69,13.98 102.71,13.94 102.73,13.89 102.76,13.86 102.8,13.83 102.84,13.81 102.88,13.79 102.93,13.78 102.97,13.78 103.02,13.79 103.06,13.81 103.1,13.83 103.14,13.86 103.17,13.89 103.19,13.94 103.21,13.98 103.21,14.03 103.21,14.07 103.21,14.12 103.22,14.14 103.26,14.16 103.3,14.18 103.34,14.21 103.37,14.25 103.39,14.29 103.41,14.33 103.42,14.38 103.42,14.42 103.41,14.47 103.39,14.51 103.37,14.55 103.34,14.59 103.3,14.62 103.26,14.64 103.22,14.66 103.18,14.67 103.13,14.67 103.08,14.66 103.04,14.64 103,14.62 102.96,14.59 102.94,14.59 102.9,14.62 102.86,14.64 102.81,14.66 102.76,14.67 102.71,14.67 102.68,14.66 102.65,14.66 102.62,14.67 102.59,14.69 102.58,14.72 102.57,14.74 102.57,14.76 102.57,16.28 102.84,16.28 102.84,16.23 102.84,16.19 102.86,16.14 102.88,16.1 102.91,16.07 102.95,16.04 102.99,16.02 103.03,16 103.08,15.99 103.12,15.99 103.17,16 103.21,16.02 103.25,16.04 103.29,16.07 103.32,16.1 103.34,16.14 103.36,16.19 103.37,16.23 103.37,16.28 103.36,16.32 103.34,16.37 103.32,16.41 103.29,16.44 103.25,16.47 103.21,16.5 103.17,16.51 103.12,16.52 103.08,16.52 103.03,16.51 102.99,16.5 102.95,16.47 102.91,16.44 102.88,16.41 102.86,16.37 102.84,16.32 102.84,16.28 102.57,16.28 102.57,17.24 103.08,17.75 103.08,18.84 103.29,18.84 103.29,18.8 103.3,18.75 103.32,18.71 103.34,18.67 103.37,18.63 103.41,18.6 103.45,18.58 103.49,18.56 103.54,18.56 103.58,18.56 103.63,18.56 103.67,18.58 103.71,18.6 103.75,18.63 103.77,18.63 103.81,18.6 103.85,18.58 103.9,18.56 103.94,18.56 103.99,18.56 104.03,18.56 104.08,18.58 104.12,18.6 104.15,18.63 104.18,18.67 104.21,18.71 104.22,18.75 104.23,18.8 104.23,18.84 104.22,18.89 104.21,18.93 104.18,18.97 104.15,19.01 104.12,19.04 104.08,19.06 104.03,19.08 103.99,19.09 103.94,19.09 103.9,19.08 103.85,19.06 103.81,19.04 103.77,19.01 103.75,19.01 103.71,19.04 103.67,19.06 103.63,19.08 103.58,19.09 103.54,19.09 103.49,19.08 103.45,19.06 103.41,19.04 103.37,19.01 103.34,18.97 103.32,18.93 103.3,18.89 103.29,18.84 103.08,18.84 103.08,19.76 103.73,20.42 105.07,20.42 108.97,24.32 108.97,25.91 109,25.94 109.03,25.96 109.05,25.96 109.08,25.96 109.11,25.95 109.13,25.93 109.15,25.91 109.17,25.87 109.19,25.83 109.23,25.79 109.26,25.75 109.31,25.73 109.36,25.71 109.41,25.7 109.46,25.69 109.51,25.7 109.56,25.71 109.61,25.73 109.65,25.76 109.69,25.79 109.71,25.79 109.76,25.76 109.8,25.73 109.84,25.71 109.89,25.7 109.94,25.69 109.99,25.69 110.04,25.7 110.09,25.72 110.14,25.75 110.17,25.78 110.21,25.82 110.24,25.86 110.25,25.91 110.27,25.96 110.27,26.01 110.27,26.06 110.25,26.11 110.24,26.15 110.21,26.2 110.17,26.23 110.14,26.27 110.09,26.29 110.04,26.31 109.99,26.32 109.94,26.32 109.89,26.32 109.84,26.3 109.8,26.28 109.76,26.25 109.71,26.22 109.69,26.22 109.65,26.26 109.59,26.29 109.55,26.31 109.53,26.33 109.51,26.35 109.5,26.38 109.5,26.4 109.5,26.43 109.52,26.46 109.53,26.47 109.88,26.82 110.8,26.82 111.76,27.79 111.76,34.37 109.61,36.52 108.51,36.52 108.46,36.57 108.46,37.64 106.68,39.42 98.8,39.42 97.94,40.28 93.77,40.28 93.75,40.28 93.72,40.29 93.7,40.31 93.68,40.33 93.67,40.36 93.67,40.39 93.67,40.42 93.69,40.45 93.7,40.46 93.89,40.65 93.94,40.64 93.99,40.64 94.04,40.65 94.09,40.67 94.14,40.7 94.18,40.73 94.21,40.77 94.24,40.81 94.27,40.86 94.28,40.91 94.28,40.96 94.28,41.01 94.27,41.06 94.25,41.11 94.23,41.16 94.19,41.2 94.15,41.23 94.11,41.26 94.06,41.28 94.01,41.29 93.96,41.3 93.91,41.29 93.86,41.28 93.81,41.26 93.76,41.23 93.73,41.21 93.71,41.2 93.68,41.19 93.65,41.2 93.62,41.21 93.59,41.23 93.55,41.26 93.5,41.28 93.45,41.29 93.39,41.3 93.34,41.29 93.29,41.28 93.24,41.26 93.2,41.23 93.16,41.19 93.13,41.15 93.1,41.11 93.08,41.06 93.07,41 93.07,40.95 93.08,40.9 92.87,40.69 90.77,40.69 90.76,40.69 90.73,40.7 90.7,40.72 90.68,40.74 90.67,40.77 90.67,40.8 90.68,40.83 90.69,40.85 90.7,40.86 91.29,41.45 97.69,41.45
GND on BOTTOM: 0.52,0.25 0.34,0.33 0.27,0.5 0.27,1.55 2.01,1.55 4.27,3.8 2.01,6.05 0.27,6.05 0.25,43.5 0.33,43.67 0.5,43.75 15.9,43.75 16.43,43.97 16.73,44.68 16.9,44.75 17.75,44.75 17.75,43.01 20,40.75 22.25,43.01 22.25,44.75 23.1,44.75 23.27,44.68 23.57,43.97 24.1,43.75 30,43.76 30.53,43.98 30.83,44.68 31,44.76 56.17,44.77 56.17,43.02 58.42,40.77 60.67,43.02 60.67,44.77 62.1,44.77 62.1,44.02 62.32,43.49 62.85,43.27 75.85,43.27 76.38,43.49 76.6,44.03 76.6,44.77 113.55,44.79 113.55,43.04 115.8,40.79 118.05,43.04 118.05,44.79 124.5,44.79 124.67,44.72 124.75,44.54 124.75,27.8 123.01,27.8 120.75,25.54 123.01,23.29 124.75,23.29 124.76,0.54 124.69,0.37 124.52,0.3 115.22,0.29 115.04,0.37 114.97,0.54 114.97,1.89 114.75,2.42 114.21,2.64 105.11,2.64 104.58,2.42 104.36,1.89 104.36,0.54 104.29,0.36 104.12,0.29 90,0.29 89.99,0.28 89.79,0.33 89.66,0.49 89.45,0.9 89.03,1.09 84.02,1.08 83.5,0.93 83.21,0.48 83.14,0.34 83.01,0.28 75.09,0.28 74.93,0.34 74.58,0.91 74.11,1.08 66.1,1.08 65.63,0.91 65.28,0.33 65.13,0.28 63.83,0.28 63.82,0.28 63.62,0.32 63.49,0.48 63.28,0.89 62.85,1.08 57.85,1.07 57.33,0.92 57.03,0.47 56.97,0.33 56.83,0.27 54.27,0.27 54.27,2.02 52.01,4.27 49.76,2.02 49.76,0.27 12.67,0.26 12.66,0.26 12.47,0.3 12.34,0.45 12.34,1.49 12.13,1.93 11.69,2.13 6.2,2.13 6.18,2.12 5.75,1.92 5.55,1.48 5.55,0.42 5.48,0.31 5.36,0.26 ; 22 cut-outs
GND on L2-GND, L5-GND: 6.17,2.18 5.71,1.95 5.5,1.49 5.5,0.43 5.45,0.35 5.36,0.31 0.52,0.3 0.38,0.36 0.32,0.5 0.32,1.5 2.01,1.5 4.32,3.8 2.01,6.11 0.32,6.1 0.3,43.5 0.36,43.64 0.5,43.7 15.9,43.7 16.47,43.94 16.76,44.64 16.9,44.7 17.69,44.7 17.7,43.01 20,40.7 22.3,43.01 22.3,44.7 23.1,44.7 23.24,44.65 23.53,43.94 24.1,43.7 30,43.71 30.57,43.94 30.86,44.65 31,44.71 56.11,44.71 56.12,43.02 58.42,40.72 60.72,43.02 60.72,44.72 62.04,44.72 62.05,44.02 62.28,43.45 62.85,43.22 75.85,43.22 76.42,43.46 76.65,44.03 76.65,44.72 113.49,44.74 113.5,43.04 115.8,40.74 118.1,43.04 118.1,44.74 124.5,44.74 124.64,44.68 124.69,44.54 124.7,27.85 123.01,27.85 120.7,25.54 123.01,23.24 124.7,23.24 124.71,0.54 124.65,0.41 124.52,0.35 115.22,0.35 115.08,0.4 115.02,0.54 115.02,1.89 114.78,2.46 114.21,2.69 105.11,2.69 104.55,2.46 104.31,1.89 104.31,0.54 104.25,0.4 104.12,0.34 90,0.34 89.99,0.33 89.82,0.37 89.71,0.5 89.48,0.94 89.03,1.14 84.02,1.13 83.47,0.97 83.16,0.49 83.11,0.38 83.01,0.33 75.09,0.33 74.96,0.38 74.61,0.95 74.11,1.13 66.1,1.13 65.6,0.95 65.25,0.37 65.13,0.33 63.83,0.33 63.81,0.33 63.65,0.36 63.54,0.49 63.31,0.93 62.85,1.13 57.85,1.13 57.3,0.96 56.98,0.48 56.93,0.37 56.83,0.32 54.32,0.32 54.32,2.02 52.01,4.32 49.71,2.02 49.71,0.32 12.67,0.31 12.65,0.31 12.5,0.34 12.39,0.46 12.39,1.49 12.17,1.96 11.7,2.18 6.19,2.18
GND on L3-POWER: 6.17,2.18 5.71,1.95 5.5,1.49 5.5,0.43 5.45,0.35 5.36,0.31 0.52,0.3 0.38,0.36 0.32,0.5 0.32,1.5 2.01,1.5 4.32,3.8 2.01,6.11 0.32,6.1 0.3,43.5 0.36,43.64 0.5,43.7 15.9,43.7 16.47,43.94 16.76,44.64 16.9,44.7 17.69,44.7 17.7,43.01 20,40.7 22.3,43.01 22.3,44.7 23.1,44.7 23.24,44.65 23.53,43.94 24.1,43.7 30,43.71 30.57,43.94 30.86,44.65 31,44.71 56.11,44.71 56.12,43.02 58.42,40.72 60.72,43.02 60.72,44.72 62.04,44.72 62.05,44.02 62.28,43.45 62.85,43.22 75.85,43.22 76.42,43.46 76.65,44.03 76.65,44.72 113.49,44.74 113.5,43.04 115.8,40.74 118.1,43.04 118.1,44.74 124.5,44.74 124.64,44.68 124.69,44.54 124.7,27.85 123.01,27.85 120.7,25.54 123.01,23.24 124.7,23.24 124.71,0.54 124.65,0.41 124.52,0.35 115.22,0.35 115.08,0.4 115.02,0.54 115.02,1.89 114.78,2.46 114.21,2.69 105.11,2.69 104.55,2.46 104.31,1.89 104.31,0.54 104.25,0.4 104.12,0.34 90,0.34 89.99,0.33 89.82,0.37 89.71,0.5 89.48,0.94 89.03,1.14 84.02,1.13 83.47,0.97 83.16,0.49 83.11,0.38 83.01,0.33 75.09,0.33 74.96,0.38 74.61,0.95 74.11,1.13 66.1,1.13 65.6,0.95 65.25,0.37 65.13,0.33 63.83,0.33 63.81,0.33 63.65,0.36 63.54,0.49 63.31,0.93 62.85,1.13 57.85,1.13 57.3,0.96 56.98,0.48 56.93,0.37 56.83,0.32 54.32,0.32 54.32,2.02 52.01,4.32 49.71,2.02 49.71,0.32 12.67,0.31 12.65,0.31 12.5,0.34 12.39,0.46 12.39,1.49 12.17,1.96 11.7,2.18 6.19,2.18 ; 5 cut-outs
VBAT_N on TOP: 115.55,5 119.15,5 119.26,4.9 119.26,3.07 119.15,2.97 117.68,2.97 117.12,3.53 115.5,3.53 115.45,3.58 115.45,4.9
VBAT_P on TOP: 113.57,10.9 112.55,10.9 112.5,10.85 112.5,8.91 113.67,7.75 117.43,7.75 117.58,7.59 117.58,6.78 117.63,6.73 119.66,6.73 119.81,6.88 119.81,8.86 118.9,9.78 113.77,9.78 113.67,9.88 113.67,10.79
VBUS_TYPEC on TOP: 109.2,13.89 108.18,13.89 107.47,13.18 106.91,13.18 106.91,12.42 108.28,12.42 108.44,12.57 109.3,12.57 109.3,13.79
VBUS_TYPEC on TOP: 119.97,15.01 119.71,14.76 119.15,14.76 119.05,14.66 118.39,14.66 118.39,13.84 118.49,13.74 119.26,13.74 119.74,13.26 123.07,13.26 123.17,13.36 123.17,14.99 123.14,15.01 122.71,15.01 122.41,14.71 121.69,14.71 121.39,15.01
VBUS_TYPEC on L4-SIG: 111.94,13.89 107.93,13.89 107.78,13.74 107.78,11.76 109.81,9.73 117.22,9.73 118.49,11 118.49,12.62 118.8,12.93 119.97,12.93 120.02,12.98 120.02,14.66 118.7,15.98 114.02,15.98
VCC1V2_UFS_VCCQ_S0 on TOP: 107.83,21.01 107.62,21.01 107.47,20.85 107.47,20.09 107.57,19.99 108.49,19.99 108.59,20.09 108.59,20.8 108.03,20.8
VCC1V2_UFS_VCCQ_S0 on TOP: 105.64,37.82 105.64,35.99 106.96,34.67 106.96,33.35 107.11,33.2 107.88,33.2 107.93,33.25 107.93,35.58 106.3,37.21 106.3,37.77 106.25,37.82
VCC1V2_UFS_VCCQ_S0 on BOTTOM: 107.88,34.06 107.88,32.08 108.03,31.93 108.03,29.44 107.01,28.42 107.01,25.83 107.98,24.87 107.98,20.14 107.83,19.99 106.66,19.99 106.56,20.09 106.56,24.15 105.74,24.97 105.74,30.71 106.25,31.22 106.91,31.22 107.11,31.42 107.11,33.2 107.01,33.3 107.01,33.96 107.27,34.21 107.72,34.21
VCC1V8_UFS_VCCQ2_S0 on TOP: 106.76,15.42 105.59,15.42 105.54,15.37 105.54,14.6 105.59,14.55 106.76,14.55 106.81,14.6 106.81,15.37
VCC1V8_UFS_VCCQ2_S0 on TOP: 107.52,37.92 107.52,36.3 108.08,35.74 108.08,33.35 108.18,33.25 108.74,33.25 108.84,33.35 108.84,34.62 109.05,34.82 109.05,36.25 108.13,37.16 108.13,37.92 108.08,37.97 107.57,37.97
VCC1V8_UFS_VCCQ2_S0 on BOTTOM: 108.74,34.21 108.28,34.21 108.03,33.96 108.03,32.18 108.18,32.03 108.18,28.78 108.03,28.63 108.03,28.47 108.13,28.37 108.13,16.28 107.88,16.03 106.76,16.03 106.4,15.67 106.4,14.71 106.96,14.15 109.81,14.15 109.91,14.25 109.91,15.21 110.01,15.32 110.01,24.82 108.99,25.83 108.99,33.2 109.05,33.25 109.05,33.91
VCC1V8_UFS_VCCQ2_S0_P on TOP: 102.34,12.98 102.95,12.98 103.51,13.54 103.51,15.32 103.56,15.37 105.18,15.37 105.24,15.32 105.24,14.3 105.08,14.15 105.08,12.88 104.47,12.27 102.95,12.27 102.54,12.67 102.34,12.67 102.29,12.72 102.29,12.93
VCC3V3_PCIEWL_VBAT on TOP: 18.52,21.21 18.52,18.92 18.62,18.82 18.62,18.01 18.72,17.91 22.02,17.91 22.13,18.01 22.13,19.23 22.02,19.33 20.35,19.33 19.03,20.65 19.03,21.21
VCC5V0_USB3_HOST1 on TOP: 69.83,5.82 66.78,5.82 66.63,5.66 66.63,4.95 66.78,4.8 69.37,4.8 69.47,4.7 69.47,3.78 69.78,3.78 69.78,4.6 69.98,4.8 69.98,5.66
VCC_1V1_NLDO_S3 on TOP: 23.75,24 23.55,23.8 23.55,22.68 23.7,22.53 25.53,22.53 25.58,22.58 25.58,23.24 25.99,23.65 25.99,24 25.89,24.1 25.07,24.1 24.97,24
VCC_1V1_NLDO_S3 on BOTTOM: 25.07,23.65 26.85,23.65 27.97,24.76 27.97,27.1 28.17,27.3 28.63,27.3 29.09,26.85 29.75,26.85 29.8,26.9 29.8,28.57 29.7,28.68 25.83,28.68 24.97,27.81 24.97,23.75
VCC_1V1_NLDO_S3_P on TOP: 27.21,23.39 26.39,23.39 26.29,23.29 26.29,22.02 23.85,22.02 23.85,21.31 25.94,21.31 26.24,21.01 27.92,21.01 28.17,21.26 28.17,22.43
VCC_1V8_CAM on TOP: 29.52,41.91 29.64,41.78 31.17,41.78 31.42,42.04 31.42,43.18 30.66,43.18 30.53,43.05 29.64,43.05 29.52,42.93
VCC_1V8_S3 on TOP: 53.11,7.54 53.11,6.98 53.17,6.93 53.83,6.93 53.93,7.04 55.1,7.04 55.3,7.24 55.3,7.49 55.1,7.7 53.27,7.7
VCC_1V8_S3 on TOP: 99.49,17.65 99.49,15.72 100.16,15.72 102.03,13.84 103.1,13.84 103.36,14.1 103.36,14.5 103.25,14.6 102.44,14.6 100.56,16.48 100.56,17.25 100.1,17.7 99.55,17.7
VCC_1V8_S3 on TOP: 107.42,14.35 105.54,14.35 105.24,14.05 105.24,13.23 106.51,13.23 107.01,13.74 107.42,13.74 107.47,13.79 107.47,14.3
VCC_1V8_S3 on TOP: 25.73,36.3 22.43,36.3 22.28,36.14 22.28,34.82 22.38,34.72 25.63,34.72 25.78,34.87 25.78,36.25
VCC_1V8_S3 on BOTTOM: 22.28,35.64 22.28,34.87 22.43,34.72 23.14,34.72 23.45,35.03 22.74,35.74 22.38,35.74
VCC_1V8_S3 on BOTTOM: 104.07,15.21 102.75,15.21 102.49,14.96 102.49,13.99 102.64,13.84 103.15,13.84 103.91,13.08 106.51,13.08 106.81,13.39 106.81,14.1 106.3,14.6 104.68,14.6
VCC_1V8_S3 on L3-POWER: 103.3,14.6 101.32,14.6 100.51,13.79 100.51,9.02 98.89,7.39 81,7.39 80.04,6.43 56.52,6.43 55.3,7.64 32.74,7.64 31.68,6.58 25.38,6.58 23.85,5.05 21.16,5.05 19.64,6.58 11.97,6.58 10.39,8.15 10.39,20.55 12.02,22.17 19.59,22.17 23.9,26.49 23.9,34.62 22.79,35.74 21.11,35.74 13.95,28.57 9.27,28.57 7.14,26.44 7.14,6.27 9.93,3.48 16.28,3.48 17.4,2.36 38.99,2.36 39.09,2.26 46.26,2.26 49.46,5.46 50.12,5.46 50.63,5.97 53.72,5.97 54.94,4.75 56.82,4.75 58.35,3.23 72.67,3.23 73.28,3.83 82.02,3.83 83.24,5.05 100.05,5.05 103.36,8.36 103.36,14.55
VCC_1V8_S3_P on TOP: 25.83,34.26 24.56,34.26 24.56,33.25 24.67,33.15 24.67,30.1 24.82,29.95 25.33,29.95 25.63,29.64 27.21,29.64 27.21,31.22 26.5,31.22 25.94,31.77 25.94,34.16